# KiCad board blackpants.kicad_pcb (continued)
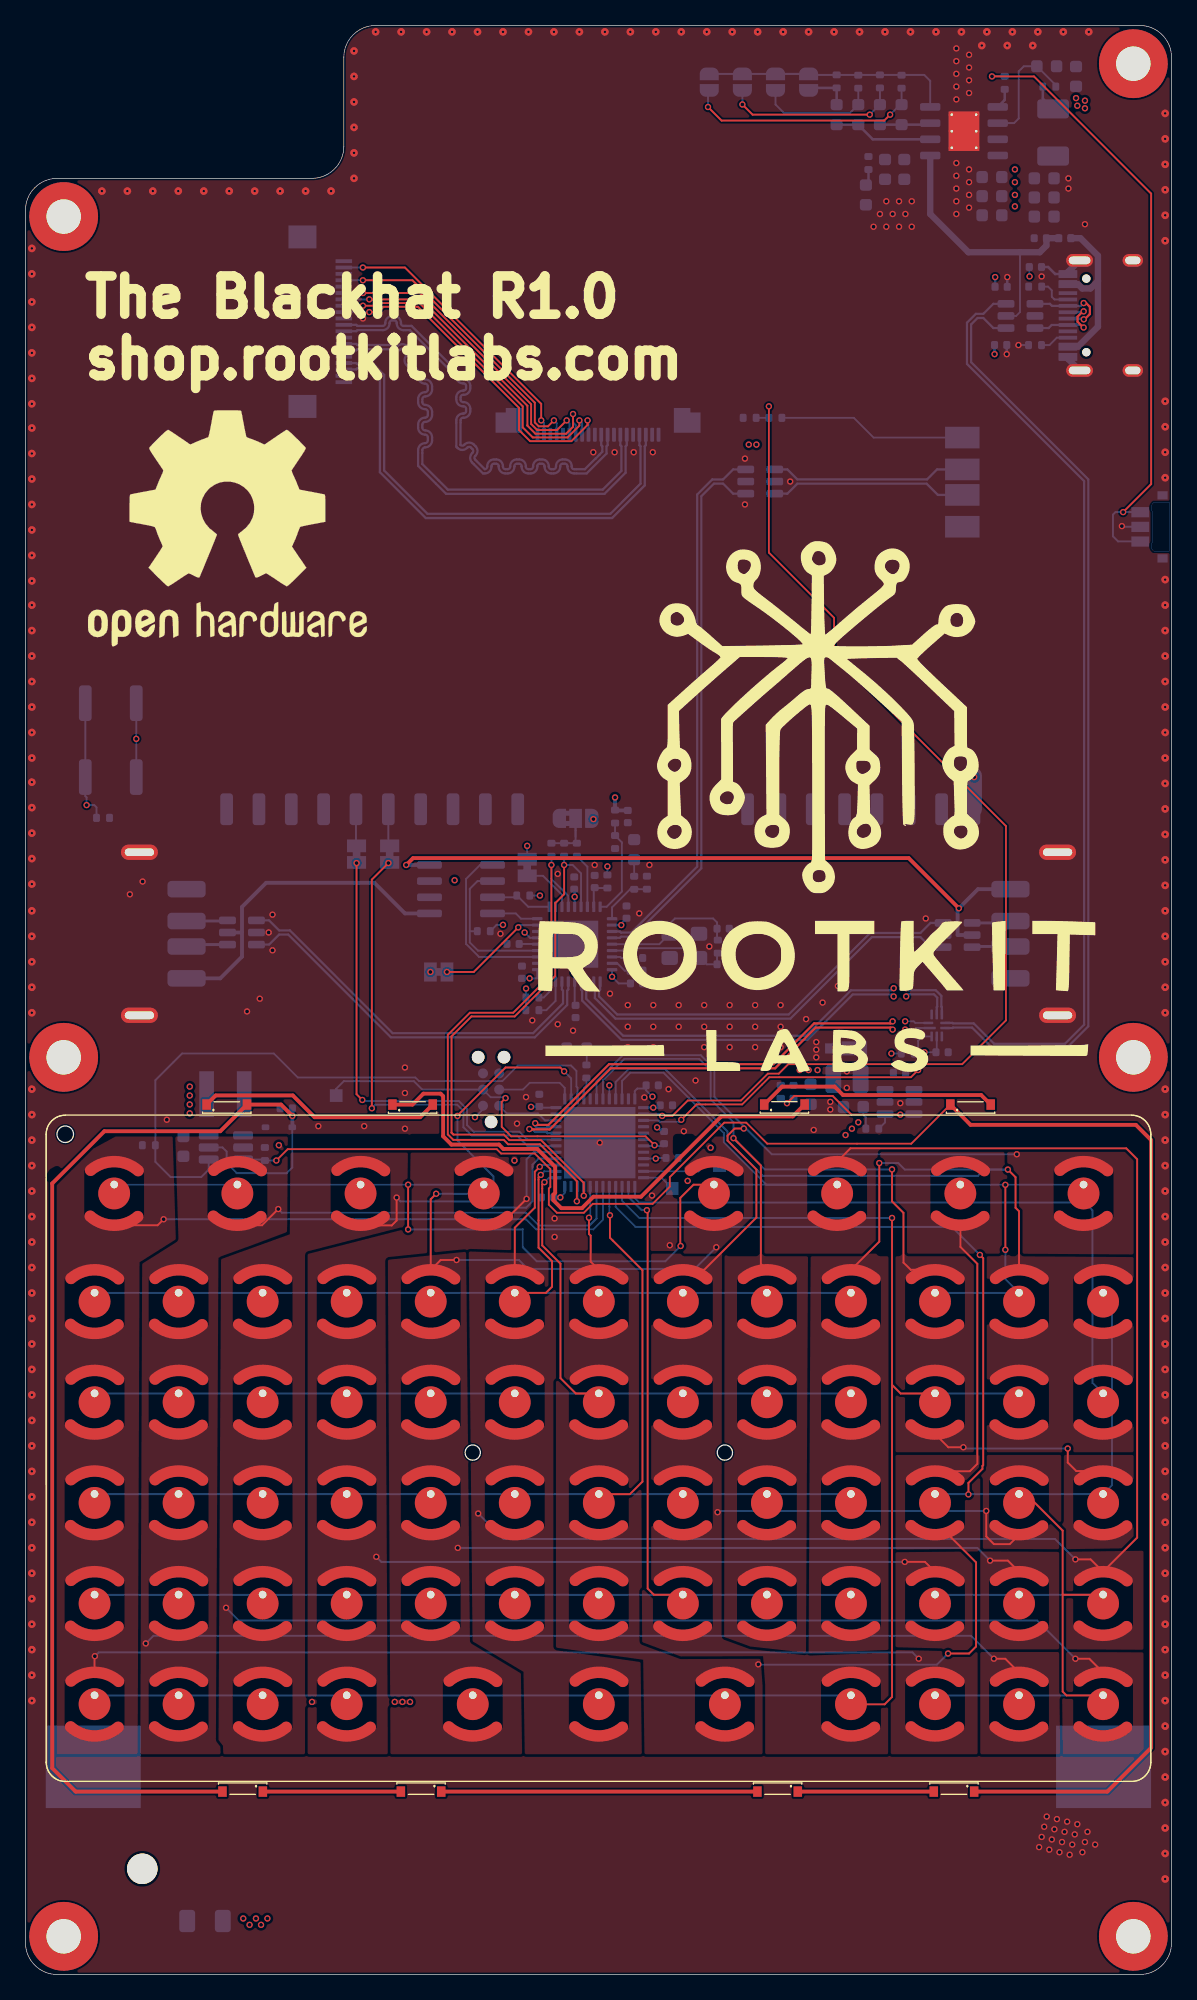
[diagram p0: board, top side]
## Routing (per net, layer and track width the routed paths; a pad name or vN(x,y) marks a point on that pad's centre or on a via; arc(x,y) is an arc through that point) (continued)
/Keyboard/ROW_1: length 73.1
  Top w0.15: 38.42,53.51 40.87,53.51 41.35,53.99 41.35,56 40.29,57.06 40.29,62.6 v1(40.47,62.77)
  Bottom w0.15: v1(40.47,62.77) 40.74,63.05 U1.26 ; 64.82,53.51 5.42,53.51
/Keyboard/ROW_2: length 80
  Top w0.15: 45.02,45.61 43.22,45.61 42.01,46.82 42.01,55.8 40.58,57.23 40.58,62.03 v1(40.76,62.2)
  Bottom w0.15: 5.42,45.61 64.82,45.61 ; v1(40.76,62.2) 41.11,62.55 U1.25
/Keyboard/ROW_3: length 87.5
  Top w0.15: v1(45.9,59.6) 45.9,57.84 48.45,55.29 48.45,38.69 47.47,37.71 45.02,37.71
  Bottom w0.15: U1.17 45.85,59.65 v1(45.9,59.6) ; 64.82,37.71 5.42,37.71
/Keyboard/ROW_4: length 94.8
  Top w0.15: 51.62,29.81 49.35,29.81 48.86,30.3 48.86,59.94 v1(48.8,60)
  Bottom w0.15: U1.14 47.35,61.04 48.39,60 v1(48.8,60) ; 5.42,29.81 64.82,29.81
/Keyboard/ROW_5: length 133.6
  Top w0.15: 68.05,46.29 68.73,45.61 71.42,45.61 ; 68.05,46.29 68.05,21.79 67.47,21.21 64.82,21.21 ; 68.05,46.29 v1(68.05,59.39)
  Bottom w0.15: U1.15 46.85,60.74 48.2,59.39 v1(68.05,59.39) ; 64.82,21.91 5.42,21.91 ; 78.02,45.61 71.42,45.61
/Keyboard/ROW_6: length 130.9
  Top w0.15: 81.45,29.81 81.45,34.85 78.59,37.71 78.02,37.71 ; 81.45,29.81 81.45,22.21 81.75,21.91 84.62,21.91 ; 81.45,29.81 84.62,29.81 ; v1(74.95,56.49) 75.21,56.23 75.21,39.99 75.15,39.92 75.15,39.69 74.05,38.59 v1(74.05,37.69)
  Bottom w0.15: 71.42,29.81 84.62,29.81 ; 71.42,37.71 84.62,37.71 85.32,38.41 85.32,52.81 84.62,53.51 ; U1.16 46.35,60.25 47.91,58.69 72.75,58.69 v1(74.95,56.49) ; 71.42,21.91 84.62,21.91
/Keyboard/ROW_7: length 52.2
  Bottom w0.15: 83,60.6 83.19,60.6 83.79,60 83.79,46.44 84.62,45.61 ; 83,60.6 48.2,60.6 47.85,60.95 U1.13 ; 83,60.6 83.2,60.6
/nRST: length 31.2
  Top w0.14: v1(37.7,68.8) 37.4,68.5 37.4,66.54 38.14,65.8 48.7,65.8 v1(49.4,65.1)
  Bottom w0.14: J3.3 36.53,68.87 37.64,68.87 v1(37.7,68.8)
  Bottom w0.15: TP1.1 24.4,69.53 25,70.13 30.5,70.13 31.16,69.47 J3.3 ; 50.1,65.02 50.07,65.05 U1.7
/Power & USB/D+: length 7
  Top w0.175: 83.1,130.55 83.03,130.55 82.62,130.14 82.62,129.74 83.06,129.3 83.1,129.3
  Bottom w0.175: 83.1,129.3 82.91,129.49 J8.B6 80.59,129.49 80.35,129.25 U12.3 ; J8.A6 83.14,130.49
  vias: v1(83.1,130.56) v1(83.1,129.29)
/Power & USB/D-: length 7
  Top w0.175: 83.1,131.2 83.3,131.2 83.59,130.91 83.59,130.35 83.18,129.94 83.11,129.94
  Bottom w0.175: 83.1,131.2 82.89,130.99 J8.B7 80.61,130.99 80.45,131.15 U12.1 ; J8.A7 83.11,129.99
  vias: v1(83.1,131.21) v1(83.11,129.93)
/Power & USB/UF: length 14
  Bottom w0.5: 84.22,132.94 84.22,129.36 82.65,127.79 J8.A9 ; 84.22,132.94 83.63,132.35 82.99,132.35 82.65,132.69 J8.A4 ; 84.22,132.94 84.22,134.93 82.85,136.3 FB2.1
/Power & USB/USB.D+: length 74.8
  Bottom w0.175: U11.7 72.81,74.3 72.84,74.34 74.33,74.34 75.93,72.74 81.77,72.74 83.46,74.43 83.46,117.37 74.26,126.57 74.26,129.53 74.77,130.04 75.22,130.04 76.01,129.25 U12.4
/Power & USB/USB.D-: length 74.8
  Bottom w0.175: U12.6 76.01,131.15 75.22,130.36 74.63,130.36 73.94,129.67 73.94,126.43 83.14,117.23 83.14,74.57 81.63,73.06 76.07,73.06 74.47,74.66 72.84,74.66 72.81,74.7 U11.6
/SWCLK: length 6.4
  Bottom w0.14: J3.4 39.07,69.47 39.6,70 41.95,70 42.35,69.6
  Bottom w0.15: U1.37 42.35,69.6
/SWDIO: length 4.9
  Bottom w0.14: 40.42,67.42 40.24,67.6 37.8,67.6 J3.2
  Bottom w0.15: 40.42,67.42 40.79,67.05 U1.34
/USART_RX: length 36
  Top w0.15: v1(26,87.25) 26,69.11 v1(26.45,68.65)
  Bottom w0.15: U1.31 39.4,65.55 38.79,66.16 35.2,66.16 34.68,66.68 34.68,67.92 34.03,68.57 26.54,68.57 v1(26.45,68.65)
/USART_TX: length 36.5
  Top w0.15: v1(28.5,87.25) 27.2,85.95 v1(27.2,68)
  Bottom w0.15: 41.65,65.07 U1.30 39.42,65.05 38.6,65.87 35.03,65.87 34.39,66.51 34.39,67.8 34.38,67.8 33.9,68.28 27.48,68.28 v1(27.2,68)
/USB/D+: length 15.6
  Bottom w0.15: 73.47,116.25 J9.1
  Bottom w0.18: U8.3 59.83,116.25 60.62,117.03 70.77,117.03 71.65,116.15 J9.1
/USB/D-: length 15.4
  Bottom w0.18: U8.1 59.83,118.15 60.62,117.37 70.8,117.37 71.58,118.15 J7.1
/USB/HS_IND: length 4.3
  Bottom w0.15: U3.25 44.13,86.96 R10.2
/USB/I2C.SCL: length 45.5
  Top w0.15: v1(42.3,87.1) 42.3,84.8 41.6,84.1 41.6,78.39 38.42,75.21 35.02,75.21 33.46,73.65 33.46,66.08 33.57,65.97 ; 33.57,65.97 33.61,65.93 37.57,65.93 38,65.5 40.49,65.5 43.84,62.15 v1(43.84,61.14) ; 33.57,65.97 33.46,66.08
  Bottom w0.15: U3.24 43.63,86.44 42.97,87.1 v1(42.3,87.1) R3.2 ; v1(43.84,61.14) 43.85,61.15 U1.21
/USB/I2C.SDA: length 45.4
  Top w0.15: v1(41.3,87.1) 41.3,78.5 38.3,75.5 34.9,75.5 33.17,73.77 33.17,65.95 33.6,65.52 37.56,65.52 37.9,65.17 40.4,65.17 43.3,62.28 v1(43.3,60.7)
  Bottom w0.15: v1(43.3,60.7) 43.35,60.75 U1.22 ; U3.22 42.63,84.67 41.3,86 v1(41.3,87.1) R4.2
/USB/SUSP_IND: length 4.2
  Bottom w0.15: U3.28 46.06,83.77 47.48,85.19 R19.2 47.81,85.2 R13.1
/USB/USB1.D+: length 32.3
  Bottom w0.175: U3.2 44.63,77.32 44.72,77.24 44.72,76.66 46.33,75.04 60.07,75.04 66.47,81.44 70.28,81.44 71.07,80.65 U6.1
/USB/USB1.D-: length 31.8
  Bottom w0.175: U3.1 45.13,77.32 45.04,77.24 45.04,76.79 46.47,75.36 59.93,75.36 66.33,81.76 70.28,81.76 71.07,82.55 U6.3
/USB/USB2.D+: length 30.5
  Bottom w0.175: U5.1 19.13,82.75 19.92,81.96 20.77,81.96 28.83,73.9 39.87,73.9 42.22,76.24 42.22,77.24 42.13,77.32 U3.7
/USB/USB2.D-: length 31
  Bottom w0.175: U3.6 42.63,77.32 42.54,77.24 42.54,76.11 40,73.57 28.7,73.57 20.63,81.64 19.92,81.64 19.13,80.85 U5.3
/USB/USB3.D+: length 34.6
  In2.Cu w0.175: v1(69.16,77.43) 69.12,77.43 68.46,76.78 v1(68.18,76.78) 68.19,76.78 68.22,76.78 68.24,76.8
  Bottom w0.175: U11.5 71.96,75.94 71.92,75.98 71.92,76.82 71.48,77.27 69.32,77.27 v1(69.16,77.43) ; U3.4 43.63,77.32 43.72,77.24 43.72,76.46 46.8,73.37 61.4,73.37 64.97,76.94 68.02,76.94 v1(68.18,76.78)
/USB/USB3.D-: length 33.5
  In1.Cu w0.175: 68.24,77.42 v1(68.18,77.42) 68.47,77.42 69.12,76.78 v1(69.16,76.78)
  Bottom w0.175: v1(68.18,77.42) 68.02,77.26 64.83,77.26 61.27,73.7 46.93,73.7 44.04,76.59 44.04,77.24 44.13,77.32 U3.3 ; U11.4 71.56,75.94 71.6,75.98 71.6,76.69 71.35,76.94 69.32,76.94 v1(69.16,76.78)
/USB/USBUP.D+: length 42.7
  Bottom w0.175: U3.31 46.68,81.38 46.77,81.47 47.71,81.47 53.07,86.83 53.07,116.04 54.07,117.04 54.78,117.04 55.57,116.25 U8.4
/USB/USBUP.D-: length 42.7
  Bottom w0.175: U8.6 55.57,118.15 54.78,117.36 53.93,117.36 52.75,116.18 52.75,86.97 47.57,81.79 46.77,81.79 46.68,81.88 U3.30
/USB/~{RESET}: length 2.9
  Bottom w0.15: 44.63,84.13 U3.26 44.63,85.25 C31.2 44.73,85.29 R9.2
/USB_CS: length 27.1
  Top w0.14: v1(51.5,67.1) 52.7,68.3 56.28,68.3 58.42,70.44 69.54,70.44 v1(70.1,71)
  Bottom w0.14: v1(51.5,67.1) 51.34,66.94 49.81,66.94 49.7,67.05 U1.3 ; 70.1,72.3 v1(70.1,71) ; 70.1,72.3 R26.2 ; 70.1,72.3 70.1,73.3 70.44,73.64 U11.10
/USB_DET: length 89.4
  Top w0.14: v1(50,67.4) 50.8,67.4 52.01,68.61 56.19,68.61 58.3,70.72 59.16,70.72 59.9,71.46 73.56,71.46 77,74.9 77,90.15 63.5,103.65 63.5,106.5 58.38,111.62 v1(58.38,123.1)
  Bottom w0.14: v1(50,67.4) 49.85,67.55 U1.2 ; R25.1 R24.2 v1(58.38,123.1)
/USBSTM.D+: length 36.7
  Top w0.175: v1(40.03,66.83) 40.16,66.7 41.07,66.7 45.83,71.46 58.73,71.46 61.93,74.66 67.94,74.66 v1(68.1,74.83)
  In1.Cu w0.175: 68.16,74.82 v1(68.1,74.83) 68.39,74.83 69.04,74.18 v1(69.08,74.18)
  Bottom w0.14: v1(69.08,74.18) 69.8,74.18 69.92,74.3 U11.1
  Bottom w0.175: v1(40.03,66.83) 40.03,66.6 40.17,66.46 40.92,66.46 41.01,66.55 U1.33
/USBSTM.D-: length 37.3
  Top w0.175: v1(68.1,74.17) 67.94,74.34 62.07,74.34 58.87,71.14 45.97,71.14 41.17,66.34 39.83,66.34 39.8,66.37 v1(39.57,66.37)
  In2.Cu w0.175: v1(69.08,74.83) 69.04,74.83 68.38,74.17 v1(68.1,74.17) 68.11,74.18 68.14,74.18 68.16,74.2
  Bottom w0.14: U11.2 69.88,74.7 69.75,74.83 v1(69.08,74.83)
  Bottom w0.175: v1(39.57,66.37) 39.8,66.37 40.03,66.14 40.92,66.14 41.01,66.05 U1.32
Net-(C17-Pad1): length 1.3
  Bottom w0.2: R14.2 66.2,140.68 C17.1
Net-(D2-A): length 7.8
  Bottom w0.2: D2.2 D3.1 65.4,145.2 66.53,144.06 71.05,144.06
Net-(D2-K): length 3.9
  Bottom w0.2: JP7.2 61.7,148.1 R29.2 D2.1 63.88,146.6
Net-(D3-A): length 9.4
  Bottom w0.15: R30.2 D3.2 64.75,146.13 59.57,146.13 58.9,146.8 JP8.2
Net-(D4-A): length 4
  Bottom w0.2: U2.3 70.93,145.21 D4.2
Net-(D4-K): length 13.9
  Top w0.15: v1(56.3,146.8) 57.1,146 v1(66.3,146)
  Bottom w0.15: v1(66.3,146) 67.09,146.79 D4.1 R31.2 ; JP9.2 v1(56.3,146.8)
Net-(D5-A): length 18.7
  Top w0.15: v1(67.9,146) 67.43,145.53 54.67,145.53 v1(53.6,146.6)
  Bottom w0.15: v1(53.6,146.6) 53.6,147.8 JP10.2 ; v1(67.9,146) 68.69,146.79 D5.2 68.8,148
Net-(D6-A): length 1.3
  Bottom w0.14: R2.2 44.08,71.42 44.08,72.7
Net-(D8-A): length 1.3
  Bottom w0.15: R19.1 D8.2
Net-(D15-K): length 10.8
  Top w0.3: D15.1 D16.2
Net-(D16-K): length 24.8
  Top w0.3: D17.2 D16.1
Net-(D17-K): length 10.7
  Top w0.3: D18.2 D17.1
Net-(D19-K): length 19.2
  Top w0.3: D19.1 14.94,69.01 20.99,69.01 22.7,67.3 31,67.3 D20.2
Net-(D20-K): length 43.4
  Top w0.3: D20.1 30.39,68.29 31.25,69.15 32.6,69.15 32.8,68.95 32.8,65.8 33.45,65.15 37.18,65.15 37.53,64.81 40.19,64.81 41.6,63.4 41.6,61.37 41.46,61.22 41.46,60.78 42.08,60.16 43.7,60.16 44.6,61.06 48.34,61.06 54.64,67.36 60.25,67.36 D21.2
Net-(D21-K): length 19
  Top w0.3: D21.1 59.42,69.7 63.54,69.7 64.2,69.04 75.05,69.04 D22.2
Net-(J2-Pin_5): length 2.9
  Bottom w0.15: JP2.1 28.49,88.7 J2.5
Net-(J2-Pin_6): length 3
  Bottom w0.15: JP3.1 25.95,88.64 J2.6 26,91.43
Net-(J4-D+): length 3
  Bottom w0.15: 74.39,80.7 U6.6
  Bottom w0.23: J4.3 74.39,80.7
Net-(J4-D-): length 3.1
  Bottom w0.15: 77.2,82.55 J4.2
  Bottom w0.23: U6.4 77.2,82.55
Net-(J4-VBUS): length 55
  Top w0.3: v1(29.9,87.1) 30.44,87.64 69.36,87.64 v1(73.3,83.7)
  Bottom w0.3: U6.5 73.2,81.6 73.2,83.6 v1(73.3,83.7) 74.8,85.2 J4.1 ; U4.8 31.72,87.1 v1(29.9,87.1)
Net-(J5-D+): length 3.2
  Bottom w0.15: 15.81,82.7 U5.6
  Bottom w0.23: J5.3 15.81,82.7
Net-(J5-D-): length 3.3
  Bottom w0.15: 12.8,80.85 J5.2
  Bottom w0.23: U5.4 12.8,80.85
Net-(J5-VBUS): length 26.6
  Bottom w0.3: U4.5 29.8,83.3 27.4,85.7 18.9,85.7 17,83.8 17,81.8 ; U5.5 17,81.8 ; 17,81.8 17,79.9 15.3,78.2 J5.1
Net-(J6-Pin_1): length 14.8
  Bottom w0.14: J6.1 66.6,120.65 65.05,122.2 R24.1
Net-(J8-CC1): length 2.8
  Bottom w0.15: J8.A5 80.81,131.49 80.6,131.7 80.6,132.2 80.3,132.5 R12.1
Net-(J8-CC2): length 2.6
  Bottom w0.15: J8.B5 80.99,128.49 80.41,127.91 R11.1 79.9,127.8
  Bottom w0.2: R11.1 79.9,127.8
Net-(J11-Pin_2): length 22.5
  Top w0.15: v1(40.5,122) 40.5,123.3 29.8,134 v1(26.5,134)
  Bottom w0.15: v1(26.5,134) J12.19 ; 40.45,121.95 v1(40.5,122) 40.72,121.78 J11.2
Net-(J11-Pin_4): length 23.6
  Top w0.15: v1(41.5,122) 41.03,121.53 40.31,121.53 40,121.84 40,123.39 30.39,133 v1(26.5,133)
  Bottom w0.15: v1(26.5,133) J12.17 ; 41.45,121.95 v1(41.5,122) 41.72,121.78 J11.4
Net-(J11-Pin_6): length 24.5
  Top w0.15: v1(26.5,132) 30.98,132 39.71,123.27 39.71,121.72 40.19,121.24 41.74,121.24 v1(42.5,122)
  Bottom w0.15: J11.6 42.72,121.78 v1(42.5,122) 42.45,121.95 ; v1(26.5,132) J12.15
Net-(J11-Pin_7): length 26.2
  Top w0.15: v1(43,122.5) 43,121.5 42.45,120.95 40.05,120.95 39.4,121.6 39.42,121.62 39.42,123.15 31.07,131.5 v1(27,131.5)
  Bottom w0.15: v1(43,122.5) 43,121.84 43.22,121.63 J11.7 ; v1(27,131.5) J12.14
Net-(J11-Pin_8): length 26
  Top w0.15: v1(26.5,131) 27.79,131 28,131.21 30.94,131.21 39.05,123.1 39.05,121.45 39.84,120.66 42.57,120.66 43.5,121.59 v1(43.5,122)
  Bottom w0.15: v1(26.5,131) J12.13 ; 43.45,121.95 v1(43.5,122) 43.72,121.78 J11.8
Net-(J11-Pin_9): length 26.7
  Top w0.15: v1(27,130.5) 27.7,130.5 28.12,130.92 30.82,130.92 38.76,122.98 38.76,121.24 39.63,120.37 42.87,120.37 44.14,121.64 v1(44.14,122)
  Bottom w0.15: J11.9 44.22,121.93 v1(44.14,122) ; v1(27,130.5) J12.12
Net-(JP4-A): length 8.6
  Top w0.15: v1(38.7,82.2) 35.2,78.7 v1(33.1,78.7)
  Bottom w0.15: v1(38.7,82.2) 38.88,82.38 U3.17
Net-(JP5-C): length 5.9
  Bottom w0.15: R4.1 42.71,88.81 ; 43.2,89.3 JP5.2 43.2,88.91 R10.1 R3.1
Net-(JP6-A): length 4.3
  Bottom w0.15: U3.21 42.13,84.76 40.64,86.25 JP6.1
Net-(JP10-A): length 22.2
  Bottom w0.15: JP7.1 61.58,149.12 R29.1 70.58,149.12 71.05,148.65 71.05,146.6 ; JP7.1 JP10.1 ; JP7.1 JP8.1
Net-(PWR_BUTTON1-Pad1): length 49.3
  Top w0.15: v1(86.2,114.8) 88.4,117 88.4,139.8 79.2,149 v1(75.9,149)
  Bottom w0.15: R15.2 75.91,149.01 v1(75.9,149) ; 87.46,114.8 v1(86.2,114.8) 85.6,114.8 85.4,114.6 85.4,112.9 85.8,112.5 87.46,112.5
Net-(U1-PA1): length 6.1
  Bottom w0.15: U1.11 52.85,63.05 53.3,63.5 TP2.1
Net-(U1-PA2): length 2.6
  Bottom w0.15: TP3.1 49.95,62.55 U1.12
Net-(U1-PB4): length 1.8
  Bottom w0.14: R2.1 44.05,69.8 43.85,69.6
  Bottom w0.15: U1.40 43.85,69.6 ; 43.85,70.24 43.8,70.29
Net-(U2-BAT): length 9.3
  Bottom w0.15: U2.6 77.64,145.34 78,145.7 78,149.4 78.4,149.8 C22.1 80.91,148.31 R17.2
Net-(U2-KEY): length 1.6
  Bottom w0.2: 76.35,146.6 76.9,147.16 R15.1
Net-(U3-CRFILT): length 1.4
  Bottom w0.15: U3.14 40.17,80.9 C27.1
Net-(U3-OCS_N1): length 12.4
  Bottom w0.15: 34.89,81.9 34.89,85.23 35.5,85.83 U4.2 ; 34.89,81.9 34.89,81.02 35.54,80.37 40.18,80.37 U3.13 ; 34.89,81.9 R27.2
Net-(U3-OCS_N3): length 4.8
  Bottom w0.15: U3.19 39.48,83.82 38.73,84.56 U4.3
Net-(U3-PLLFILT): length 1.5
  Bottom w0.15: U3.34 46.71,79.88 46.79,79.8 C23.1
Net-(U3-PRTPWR1/BC_EN1): length 13.6
  Bottom w0.15: U4.1 35.7,87.11 34.6,86 34.6,80.9 35.62,79.88 U3.12
Net-(U3-PRTPWR3/BC_EN3): length 3.7
  Bottom w0.15: U4.4 38.5,83.3 38.92,82.88 U3.18
Net-(U3-RBIAS): length 1.7
  Bottom w0.15: U3.35 46.48,79.38 47.06,78.8 R8.1
Net-(U3-USBDM_DN4/PRT_DIS_M4): length 3.2
  Bottom w0.15: U3.8 41.63,76.43 40.9,75.7 R20.1 40.36,75.66
Net-(U3-USBDP_DN4/PRT_DIS_P4): length 1.8
  Bottom w0.15: R21.1 40.7,76.7 41.13,77.13 U3.9
Net-(U3-VBUS_DET): length 7.8
  Bottom w0.15: R6.2 R7.1 46.84,88.87 46.84,85.02 45.64,83.82 U3.27
Net-(U3-XTALIN/CLKIN): length 9.8
  Bottom w0.15: U3.33 46.89,80.38 47.08,80.57 52.12,80.57 Y1.3 53,79.8 53.5,79.3 C28.2 54.31,80.12 R5.1
Net-(U3-XTALOUT): length 11.1
  Bottom w0.15: U3.32 49.77,80.88 Y1.1 50.59,82.49 51,82.9 54,82.9 54.31,82.59 C29.2 54.31,81.26 R5.2
Net-(U7-EN): length 1.4
  Bottom w0.15: U7.4 67.5,66.89 R16.2
Net-(U7-FB): length 12.2
  Top w0.15: v1(68.7,67.5) 64.86,67.5 63.39,68.97 60.37,68.97 v1(59.8,68.4)
  Bottom w0.15: U7.3 68.75,67.55 v1(68.7,67.5) ; R18.2 59.41,68.79 v1(59.8,68.4) 60.19,68.79 R1.1

## Copper pours and planes (outline as drawn; the poured copper is in the pictures)
+3V3 on Bottom: 63.9,71.4 60,71.4 60,69.6 60.2,69.4 63.9,69.4
+3V3 on In1.Cu: -0.04,153 -0.04,17.25 89.96,17.25 89.96,153
+5V on Bottom: 12,71 14.8,71 14.8,65.6 12.8,65.4 12,65.4
+5V on Bottom: 31,86.1 33,86.1 33.2,86.4 34.3,86.4 34.3,85.6 31,85.6
+5V on Bottom: 56,117.5 57.2,117.5 57.5,117.8 57.5,119 56.5,119.6 56.5,120.4 58,120.4 58,116.9 56,116.9
+5V on Bottom: 66.21,65.3 66.21,68.2 68.11,68.2 68.11,68.8 65.71,68.8 65.31,68.4 65.3,67.6 63.3,65.3
+5V on Bottom: 76.2,137.7 76.2,141.7 75.5,142.4 75.5,143.2 79.2,143.2 79.2,137.7
GND on Top, Bottom, In2.Cu: 0,153 0,21.1 90,21.1 90,153
GND on Top, In2.Cu: 0,22.1 0,0 90,0 90,22.1
GND on Bottom: 88.4,18.99 81,18.99 78.89,8.8 85.83,8.81 88.4,10.86
VBUS on Bottom: 72,142 72,143.4 65.8,143.4 65.6,143.2 65.6,142.6 65.8,142.4 66.6,142.4 67,142
+BATT on Bottom: 19.8,3.9 19.8,5 15.05,5 15.05,3.5 19.2,3.5
+BATT on Bottom: 79.2,145.6 79.2,147.3 81.7,147.3 82,147.6 82,148.8 83.4,148.8 83.4,145.6
/Keyboard/COL_0 on Top: 2.06,63.06 7.09,65.79 11.56,65.79 11.81,57.71 8.96,55.91 8.81,17.29 1.96,17.29 1.71,62.51
/Keyboard/COL_0 on Top: 68.17,25.49 74.98,25.32 74.98,17.29 67.95,17.29 67.95,24.56
/Keyboard/COL_1 on Top: 74.98,25.32 81.37,25.32 81.46,17.29 74.98,17.29
/Keyboard/COL_1 on Top: 8.81,17.73 8.96,55.91 11.81,57.71 11.56,65.79 20.81,65.79 20.53,58.28 15.16,56.26 15.53,17.29 8.81,17.29
/Keyboard/COL_2 on Top: 81.37,25.32 87.8,25.29 87.8,17.29 81.46,17.29
/Keyboard/COL_2 on Top: 15.51,17.96 15.16,18.41 15.36,56.16 20.76,58.11 20.81,65.79 30.26,65.79 30.05,58.59 22.16,56.56 22.16,17.29 15.53,17.29
/Keyboard/COL_3 on Top: 68.15,33.15 74.98,33.21 74.98,25.32 68.17,25.49
/Keyboard/COL_3 on Top: 22.16,17.29 22.16,56.56 30.16,58.61 30.26,65.79 40.05,65.79 40.06,58.71 40.06,56.63 28.46,56.11 28.66,18.21 28.66,17.29
/Keyboard/COL_4 on Top: 28.46,56.11 34.81,56.76 35.11,26.16 39.11,23.76 39.21,17.29 28.66,17.29 28.66,18.21
/Keyboard/COL_4 on Top: 50.97,56.59 51.05,65.79 57.96,65.79 57.98,56.59
/Keyboard/COL_4 on Top: 74.98,25.32 81.37,25.32 81.34,33.18 74.98,33.21
/Keyboard/COL_5 on Top: 34.81,56.76 39.27,56.62 40.06,56.63 41.66,56.64 41.66,25.66 48.51,24.71 48.61,17.29 39.21,17.29 39.11,23.76 35.11,26.16
/Keyboard/COL_5 on Top: 81.37,25.32 87.8,25.29 87.8,33.27 81.34,33.18
/Keyboard/COL_5 on Top: 57.98,56.59 67.01,56.59 67.15,65.79 57.96,65.79
/Keyboard/COL_6 on Top: 74.98,40.79 74.98,33.21 68.15,33.15 68.07,40.79
/Keyboard/COL_6 on Top: 67.01,56.59 77.13,56.59 77.09,65.79 67.15,65.79
/Keyboard/COL_6 on Top: 41.65,56.64 48.29,56.59 48.43,26.09 51.46,24.97 57.94,24.99 58.09,23.88 58.09,17.29 48.61,17.29 48.51,24.71 41.66,25.66 41.66,56.64
/Keyboard/COL_7 on Top: 74.98,33.21 81.34,33.18 81.34,40.79 74.98,40.79
/Keyboard/COL_7 on Top: 48.29,56.59 54.9,56.59 54.87,26.65 57.53,25.68 68.17,25.49 67.95,17.29 58.09,17.29 58.09,22.71 57.92,24.99 51.46,24.97 48.43,26.09
/Keyboard/COL_7 on Top: 77.09,65.79 87.8,65.79 87.8,56.52 77.13,56.59
/Keyboard/COL_8 on Top: 68.07,56.59 75.05,56.59 75.05,40.79 68.07,40.79
/Keyboard/COL_8 on Top: 87.8,40.79 87.8,33.27 81.34,33.18 81.34,40.79
/Keyboard/COL_8 on Top: 56.93,25.75 61.5,25.24 61.66,56.59 54.9,56.59 54.87,26.5
/Keyboard/COL_9 on Top: 75.05,56.59 87.8,56.52 87.8,40.79 75.05,40.79
/Keyboard/COL_9 on Top: 61.66,56.59 68.07,56.59 68.17,25.49 61.5,25.24
Net-(BT1-+) on Bottom: 1.8,13.2 8.73,13.2 12,10.77 12,3.8 13.4,3.8 13.4,14.6 8.6,19.4 1.8,19.4
Net-(D1-K) on Bottom: 68.11,71.4 66.51,73.2 64.91,73.2 64.91,69.2 68.11,69.2
Net-(D13-A) on Bottom: 16.6,70.9 16.6,65.55 17.76,65.55 19.15,66.3 19.15,66.7 17.7,67.32 17.7,70.9
Net-(U2-SW) on Bottom: 75.5,143.7 78.5,143.7 78.9,143.3 78.9,141.9 82.1,141.9 82.1,144.5 75.5,144.5
Net-(U7-BST) on Bottom: 69.4,71 70.4,70 70.4,69.2 69,69.2 68.9,69.3 68.9,71

## Text on the board
B.Silkscreen: +5V | D- | D+ | GND | 1× → ON / 2× → OFF | +
F.Silkscreen: The Blackhat R1.0 / shop.rootkitlabs.com
